# Allegro board SG2042_EVB_V2_0.brd (continued)
## Routing (per net, layer and track width the routed paths; a pad name or vN(x,y) marks a point on that pad's centre or on a via; arc(x,y) is an arc through that point) (continued)
  GND09 w0.254: J2.44 168.91,248.49 ; J2.44 169.57,247.83 ; J2.44 168.25,247.83 ; J2.44 168.91,247.16 ; 180.51,178.31 J1.263 ; J1.263 181.17,178.98 ; J1.263 179.85,178.98 ; J1.263 180.51,179.64 ; 60.79,239.51 J4.53 ; J4.53 61.45,240.18 ; J4.53 60.13,240.18 ; J4.53 60.79,240.84 ; J2.116 168.91,182.19 ; J2.116 168.91,180.86 ; J2.116 168.25,181.53 ; J2.116 169.57,181.53 ; 63.93,199.38 J4.239 ; J4.239 64.59,198.71 ; J4.239 64.59,200.04 ; J4.239 65.25,199.38 ; J2.270 172.71,173.69 ; J2.270 173.37,173.03 ; J2.270 172.71,172.36 ; J2.270 172.05,173.03 ; 176.71,239.51 J1.53 ; J1.53 176.71,240.84 ; J1.53 177.37,240.18 ; J1.53 176.05,240.18 ; J1.149 180.51,281.64 ; J1.149 179.85,280.98 ; J1.149 180.51,280.31 ; J1.149 181.17,280.98 ; 51.39,169.81 J3.129 ; J3.129 51.39,171.14 ; J3.129 52.05,170.48 ; J3.129 50.73,170.48 ; 62.39,177.46 J4.120 ; J4.120 63.05,178.13 ; J4.120 62.39,178.79 ; J4.120 61.73,178.13 ; 182.11,253.96 J1.180 ; J1.180 182.11,255.29 ; J1.180 182.77,254.63 ; J1.180 181.45,254.63 ; J1.129 177.37,170.48 ; J1.129 176.71,169.81 ; J1.129 176.71,171.14 ; J1.129 176.05,170.48 ; J4.151 65.25,279.28 ; J4.151 64.59,278.61 ; J4.151 63.93,279.28 ; J4.151 64.59,279.94 ; 54.53,178.98 J3.263 ; J3.263 55.85,178.98 ; J3.263 55.19,178.31 ; J3.263 55.19,179.64 ; J1.176 182.11,258.69 ; J1.176 182.77,258.03 ; J1.176 181.45,258.03 ; J1.176 182.11,257.36 ; 55.19,180.01 J3.261 ; J3.261 55.19,181.34 ; J3.261 54.53,180.68 ; J3.261 55.85,180.68 ; 181.45,173.03 J1.270 ; J1.270 182.77,173.03 ; J1.270 182.11,172.36 ; J1.270 182.11,173.69 ; J2.138 168.91,163.49 ; J2.138 168.91,162.16 ; J2.138 168.25,162.83 ; J2.138 169.57,162.83 ; 177.65,162.83 J1.138 ; J1.138 178.31,162.16 ; J1.138 178.31,163.49 ; J1.138 178.97,162.83 ; 168.25,283.53 J2.2 ; J2.2 168.91,284.19 ; J2.2 168.91,282.86 ; J2.2 169.57,283.53 ; J3.53 52.05,240.18 ; J3.53 51.39,239.51 ; J3.53 51.39,240.84 ; J3.53 50.73,240.18 ; J3.136 53.65,164.53 ; J3.136 52.99,163.86 ; J3.136 52.99,165.19 ; J3.136 52.33,164.53 ; 50.73,258.88 J3.31 ; J3.31 52.05,258.88 ; J3.31 51.39,258.21 ; J3.31 51.39,259.54 ; 171.11,181.71 J2.259 ; J2.259 171.11,183.04 ; J2.259 171.77,182.38 ; J2.259 170.45,182.38 ; 56.13,258.03 J3.176 ; J3.176 56.79,257.36 ; J3.176 56.79,258.69 ; J3.176 57.45,258.03 ; 176.71,174.91 J1.123 ; J1.123 176.71,176.24 ; J1.123 176.05,175.58 ; J1.123 177.37,175.58 ; J1.252 182.77,188.32 ; J1.252 181.45,188.32 ; J1.252 182.11,187.66 ; J1.252 182.11,188.99 ; 50.73,277.58 J3.9 ; J3.9 51.39,278.24 ; J3.9 52.05,277.58 ; J3.9 51.39,276.91 ; 167.31,171.51 J2.127 ; J2.127 166.65,172.18 ; J2.127 167.31,172.84 ; J2.127 167.97,172.18 ; 60.79,171.51 J4.127 ; J4.127 60.13,172.18 ; J4.127 61.45,172.18 ; J4.127 60.79,172.84 ; J3.191 55.19,245.94 ; J3.191 54.53,245.28 ; J3.191 55.85,245.28 ; J3.191 55.19,244.61 ; J4.131 60.79,169.44 ; J4.131 61.45,168.78 ; J4.131 60.79,168.11 ; J4.131 60.13,168.78 ; 63.93,248.68 J4.187 ; J4.187 65.25,248.68 ; J4.187 64.59,249.34 ; J4.187 64.59,248.01 ; J1.31 177.37,258.88 ; J1.31 176.71,259.54 ; J1.31 176.05,258.88 ; J1.31 176.71,258.21 ; J1.268 182.77,174.73 ; J1.268 182.11,174.06 ; J1.268 182.11,175.39 ; J1.268 181.45,174.73 ; J4.149 64.59,281.64 ; J4.149 64.59,280.31 ; J4.149 63.93,280.98 ; J4.149 65.25,280.98 ; J2.4 168.91,282.49 ; J2.4 169.57,281.83 ; J2.4 168.25,281.83 ; J2.4 168.91,281.16 ; 51.39,171.51 J3.127 ; J3.127 52.05,172.18 ; J3.127 51.39,172.84 ; J3.127 50.73,172.18 ; 52.33,244.43 J3.48 ; J3.48 53.65,244.43 ; J3.48 52.99,245.09 ; J3.48 52.99,243.76 ; J3.147 55.85,282.68 ; J3.147 54.53,282.68 ; J3.147 55.19,283.34 ; J3.147 55.19,282.01 ; J2.268 172.71,175.39 ; J2.268 173.37,174.73 ; J2.268 172.71,174.06 ; J2.268 172.05,174.73 ; J4.200 66.19,238.29 ; J4.200 66.19,236.96 ; J4.200 66.85,237.63 ; J4.200 65.53,237.63 ; J4.22 63.05,266.52 ; J4.22 62.39,267.19 ; J4.22 61.73,266.52 ; J4.22 62.39,265.86 ; J3.98 52.99,197.49 ; J3.98 52.33,196.83 ; J3.98 52.99,196.16 ; J3.98 53.65,196.83 ; 181.45,256.33 J1.178 ; J1.178 182.11,255.66 ; J1.178 182.11,256.99 ; J1.178 182.77,256.33 ; 180.51,242.91 J1.193 ; J1.193 181.17,243.58 ; J1.193 180.51,244.24 ; J1.193 179.85,243.58 ; 54.53,279.28 J3.151 ; J3.151 55.19,278.61 ; J3.151 55.19,279.94 ; J3.151 55.85,279.28 ; J3.15 51.39,273.14 ; J3.15 52.05,272.48 ; J3.15 51.39,271.81 ; J3.15 50.73,272.48 ; 167.31,169.81 J2.129 ; J2.129 167.31,171.14 ; J2.129 167.97,170.48 ; J2.129 166.65,170.48 ; 176.71,270.11 J1.17 ; J1.17 177.37,270.78 ; J1.17 176.05,270.78 ; J1.17 176.71,271.44 ; J3.109 51.39,188.14 ; J3.109 52.05,187.48 ; J3.109 51.39,186.81 ; J3.109 50.73,187.48 ; 172.05,190.03 J2.250 ; J2.250 172.71,189.36 ; J2.250 172.71,190.69 ; J2.250 173.37,190.03 ; 176.71,191.91 J1.103 ; J1.103 176.71,193.24 ; J1.103 177.37,192.58 ; J1.103 176.05,192.58 ; J4.254 66.85,186.63 ; J4.254 66.19,185.96 ; J4.254 65.53,186.63 ; J4.254 66.19,187.29 ; 168.91,182.56 J2.114 ; J2.114 168.25,183.23 ; J2.114 169.57,183.23 ; J2.114 168.91,183.89 ; 56.13,171.33 J3.272 ; J3.272 57.45,171.33 ; J3.272 56.79,171.99 ; J3.272 56.79,170.66 ; J2.131 167.31,169.44 ; J2.131 167.31,168.11 ; J2.131 167.97,168.78 ; J2.131 166.65,168.78 ; 66.19,270.96 J4.160 ; J4.160 66.19,272.29 ; J4.160 66.85,271.63 ; J4.160 65.53,271.63 ; J3.171 55.19,262.94 ; J3.171 55.19,261.61 ; J3.171 55.85,262.28 ; J3.171 54.53,262.28 ; 52.33,261.43 J3.28 ; J3.28 52.99,262.09 ; J3.28 53.65,261.43 ; J3.28 52.99,260.76 ; 171.11,180.01 J2.261 ; J2.261 171.11,181.34 ; J2.261 170.45,180.68 ; J2.261 171.77,180.68 ; 176.05,238.48 J1.55 ; J1.55 176.71,239.14 ; J1.55 177.37,238.48 ; J1.55 176.71,237.81 ; 51.39,236.11 J3.57 ; J3.57 51.39,237.44 ; J3.57 50.73,236.77 ; J3.57 52.05,236.77 ; J1.259 180.51,183.04 ; J1.259 181.17,182.38 ; J1.259 180.51,181.71 ; J1.259 179.85,182.38 ; 50.73,238.48 J3.55 ; J3.55 52.05,238.48 ; J3.55 51.39,237.81 ; J3.55 51.39,239.14 ; J3.26 52.99,263.79 ; J3.26 52.33,263.13 ; J3.26 53.65,263.13 ; J3.26 52.99,262.46 ; J3.134 52.99,166.89 ; J3.134 52.99,165.56 ; J3.134 52.33,166.23 ; J3.134 53.65,166.23 ; J4.169 64.59,264.64 ; J4.169 64.59,263.31 ; J4.169 63.93,263.98 ; J4.169 65.25,263.98 ; J3.162 56.79,270.59 ; J3.162 56.79,269.26 ; J3.162 56.13,269.93 ; J3.162 57.45,269.93 ; J1.257 181.17,184.08 ; J1.257 179.85,184.08 ; J1.257 180.51,183.41 ; J1.257 180.51,184.74 ; J1.101 176.71,194.94 ; J1.101 176.71,193.61 ; J1.101 176.05,194.28 ; J1.101 177.37,194.28 ; 168.25,249.53 J2.42 ; J2.42 169.57,249.53 ; J2.42 168.91,248.86 ; J2.42 168.91,250.19 ; J3.13 52.05,274.18 ; J3.13 51.39,273.51 ; J3.13 50.73,274.18 ; J3.13 51.39,274.84 ; J1.24 178.31,265.49 ; J1.24 178.97,264.83 ; J1.24 178.31,264.16 ; J1.24 177.65,264.83 ; J4.182 66.85,252.93 ; J4.182 65.53,252.93 ; J4.182 66.19,253.59 ; J4.182 66.19,252.26 ; J1.248 182.77,191.73 ; J1.248 182.11,192.39 ; J1.248 182.11,191.06 ; J1.248 181.45,191.73 ; J1.283 181.17,161.98 ; J1.283 180.51,161.31 ; J1.283 179.85,161.98 ; J1.283 180.51,162.64 ; 172.71,252.26 J2.182 ; J2.182 172.05,252.93 ; J2.182 172.71,253.59 ; J2.182 173.37,252.93 ; 65.53,254.63 J4.180 ; J4.180 66.85,254.63 ; J4.180 66.19,255.29 ; J4.180 66.19,253.96 ; J2.94 168.91,200.89 ; J2.94 168.25,200.23 ; J2.94 169.57,200.23 ; J2.94 168.91,199.56 ; 178.31,196.16 J1.98 ; J1.98 178.97,196.83 ; J1.98 177.65,196.83 ; J1.98 178.31,197.49 ; J1.198 182.11,239.99 ; J1.198 182.77,239.33 ; J1.198 182.11,238.66 ; J1.198 181.45,239.33 ; J4.138 63.05,162.83 ; J4.138 62.39,163.49 ; J4.138 61.73,162.83 ; J4.138 62.39,162.16 ; J3.116 53.65,181.53 ; J3.116 52.33,181.53 ; J3.116 52.99,182.19 ; J3.116 52.99,180.86 ; J4.171 64.59,262.94 ; J4.171 64.59,261.61 ; J4.171 63.93,262.28 ; J4.171 65.25,262.28 ; J2.184 173.37,251.23 ; J2.184 172.71,251.89 ; J2.184 172.71,250.56 ; J2.184 172.05,251.23 ; 52.33,200.23 J3.94 ; J3.94 52.99,199.56 ; J3.94 53.65,200.23 ; J3.94 52.99,200.89 ; 180.51,195.31 J1.243 ; J1.243 180.51,196.64 ; J1.243 181.17,195.98 ; J1.243 179.85,195.98 ; J4.195 64.59,242.54 ; J4.195 63.93,241.88 ; J4.195 65.25,241.88 ; J4.195 64.59,241.21 ; J3.123 51.39,176.24 ; J3.123 51.39,174.91 ; J3.123 52.05,175.58 ; J3.123 50.73,175.58 ; J4.4 62.39,282.49 ; J4.4 63.05,281.83 ; J4.4 61.73,281.83 ; J4.4 62.39,281.16 ; J4.9 61.45,277.58 ; J4.9 60.79,276.91 ; J4.9 60.79,278.24 ; J4.9 60.13,277.58 ; J1.35 176.71,256.14 ; J1.35 177.37,255.47 ; J1.35 176.71,254.81 ; J1.35 176.05,255.47 ; 177.65,179.83 J1.118 ; J1.118 178.31,180.49 ; J1.118 178.97,179.83 ; J1.118 178.31,179.16 ; J1.134 178.31,166.89 ; J1.134 178.97,166.23 ; J1.134 178.31,165.56 ; J1.134 177.65,166.23 ; J4.35 61.45,255.47 ; J4.35 60.79,256.14 ; J4.35 60.13,255.47 ; J4.35 60.79,254.81 ; J3.37 52.05,253.78 ; J3.37 51.39,254.44 ; J3.37 51.39,253.11 ; J3.37 50.73,253.78 ; J1.151 181.17,279.28 ; J1.151 180.51,278.61 ; J1.151 180.51,279.94 ; J1.151 179.85,279.28 ; 172.71,255.66 J2.178 ; J2.178 172.71,256.99 ; J2.178 173.37,256.33 ; J2.178 172.05,256.33 ; 181.45,276.73 J1.154 ; J1.154 182.11,277.39 ; J1.154 182.11,276.06 ; J1.154 182.77,276.73 ; J4.129 61.45,170.48 ; J4.129 60.13,170.48 ; J4.129 60.79,169.81 ; J4.129 60.79,171.14 ; J3.160 56.79,272.29 ; J3.160 57.45,271.63 ; J3.160 56.79,270.96 ; J3.160 56.13,271.63 ; 62.39,180.86 J4.116 ; J4.116 62.39,182.19 ; J4.116 63.05,181.53 ; J4.116 61.73,181.53 ; 172.05,239.33 J2.198 ; J2.198 172.71,239.99 ; J2.198 172.71,238.66 ; J2.198 173.37,239.33 ; J2.156 173.37,275.03 ; J2.156 172.71,275.69 ; J2.156 172.71,274.36 ; J2.156 172.05,275.03 ; J3.259 55.85,182.38 ; J3.259 55.19,183.04 ; J3.259 55.19,181.71 ; J3.259 54.53,182.38 ; J1.114 178.31,183.89 ; J1.114 178.97,183.23 ; J1.114 178.31,182.56 ; J1.114 177.65,183.23 ; 60.79,237.81 J4.55 ; J4.55 60.79,239.14 ; J4.55 60.13,238.48 ; J4.55 61.45,238.48 ; J2.173 171.11,261.24 ; J2.173 170.45,260.58 ; J2.173 171.11,259.91 ; J2.173 171.77,260.58 ; 50.73,190.88 J3.105 ; J3.105 52.05,190.88 ; J3.105 51.39,191.54 ; J3.105 51.39,190.21 ; J1.276 182.77,167.92 ; J1.276 182.11,167.26 ; J1.276 182.11,168.59 ; J1.276 181.45,167.92 ; 167.31,254.81 J2.35 ; J2.35 166.65,255.47 ; J2.35 167.97,255.47 ; J2.35 167.31,256.14 ; J3.248 56.79,192.39 ; J3.248 56.13,191.73 ; J3.248 57.45,191.73 ; J3.248 56.79,191.06 ; J3.20 52.99,268.89 ; J3.20 53.65,268.23 ; J3.20 52.99,267.56 ; J3.20 52.33,268.23 ; J1.116 178.97,181.53 ; J1.116 178.31,182.19 ; J1.116 178.31,180.86 ; J1.116 177.65,181.53 ; J4.107 61.45,189.18 ; J4.107 60.13,189.18 ; J4.107 60.79,188.51 ; J4.107 60.79,189.84 ; 181.45,169.63 J1.274 ; J1.274 182.11,170.29 ; J1.274 182.77,169.63 ; J1.274 182.11,168.96 ; 178.31,248.86 J1.42 ; J1.42 178.31,250.19 ; J1.42 178.97,249.53 ; J1.42 177.65,249.53 ; J4.96 63.05,198.53 ; J4.96 61.73,198.53 ; J4.96 62.39,197.86 ; J4.96 62.39,199.19 ; 180.51,197.01 J1.241 ; J1.241 181.17,197.67 ; J1.241 180.51,198.34 ; J1.241 179.85,197.67 ; J2.125 167.97,173.88 ; J2.125 166.65,173.88 ; J2.125 167.31,173.21 ; J2.125 167.31,174.54 ; 176.05,277.58 J1.9 ; J1.9 176.71,276.91 ; J1.9 176.71,278.24 ; J1.9 177.37,277.58 ; 63.93,177.27 J4.265 ; J4.265 64.59,177.94 ; J4.265 64.59,176.61 ; J4.265 65.25,177.27 ; 171.11,261.61 J2.171 ; J2.171 171.11,262.94 ; J2.171 171.77,262.28 ; J2.171 170.45,262.28 ; J1.136 178.97,164.53 ; J1.136 178.31,165.19 ; J1.136 177.65,164.53 ; J1.136 178.31,163.86 ; J4.103 61.45,192.58 ; J4.103 60.79,191.91 ; J4.103 60.79,193.24 ; J4.103 60.13,192.58 ; J1.182 182.11,253.59 ; J1.182 181.45,252.93 ; J1.182 182.11,252.26 ; J1.182 182.77,252.93 ; J2.167 171.77,265.68 ; J2.167 171.11,266.34 ; J2.167 170.45,265.68 ; J2.167 171.11,265.01 ; 55.19,161.31 J3.283 ; J3.283 55.19,162.64 ; J3.283 54.53,161.98 ; J3.283 55.85,161.98 ; J4.101 61.45,194.28 ; J4.101 60.79,193.61 ; J4.101 60.13,194.28 ; J4.101 60.79,194.94 ; 66.19,276.06 J4.154 ; J4.154 66.85,276.73 ; J4.154 65.53,276.73 ; J4.154 66.19,277.39 ; J2.46 169.57,246.12 ; J2.46 168.25,246.12 ; J2.46 168.91,246.79 ; J2.46 168.91,245.46 ; J2.180 172.71,255.29 ; J2.180 172.05,254.63 ; J2.180 172.71,253.96 ; J2.180 173.37,254.63 ; J2.37 167.31,254.44 ; J2.37 166.65,253.78 ; J2.37 167.31,253.11 ; J2.37 167.97,253.78 ; 182.11,270.96 J1.160 ; J1.160 182.77,271.63 ; J1.160 182.11,272.29 ; J1.160 181.45,271.63 ; 171.11,280.31 J2.149 ; J2.149 171.11,281.64 ; J2.149 171.77,280.98 ; J2.149 170.45,280.98 ; 180.51,265.01 J1.167 ; J1.167 179.85,265.68 ; J1.167 181.17,265.68 ; J1.167 180.51,266.34 ; 52.99,184.26 J3.112 ; J3.112 52.33,184.93 ; J3.112 52.99,185.59 ; J3.112 53.65,184.93 ; J3.131 51.39,169.44 ; J3.131 51.39,168.11 ; J3.131 50.73,168.78 ; J3.131 52.05,168.78 ; 181.45,269.93 J1.162 ; J1.162 182.11,270.59 ; J1.162 182.11,269.26 ; J1.162 182.77,269.93 ; J1.279 180.51,166.04 ; J1.279 180.51,164.71 ; J1.279 179.85,165.38 ; J1.279 181.17,165.38 ; J4.176 66.19,258.69 ; J4.176 66.19,257.36 ; J4.176 66.85,258.03 ; J4.176 65.53,258.03 ; 60.79,236.11 J4.57 ; J4.57 60.79,237.44 ; J4.57 60.13,236.77 ; J4.57 61.45,236.77 ; J2.274 173.37,169.63 ; J2.274 172.71,170.29 ; J2.274 172.05,169.63 ; J2.274 172.71,168.96 ; J3.184 56.79,251.89 ; J3.184 57.45,251.23 ; J3.184 56.79,250.56 ; J3.184 56.13,251.23 ; 63.93,245.28 J4.191 ; J4.191 64.59,244.61 ; J4.191 64.59,245.94 ; J4.191 65.25,245.28 ; 176.71,271.81 J1.15 ; J1.15 176.05,272.48 ; J1.15 176.71,273.14 ; J1.15 177.37,272.48 ; 166.65,274.18 J2.13 ; J2.13 167.31,273.51 ; J2.13 167.97,274.18 ; J2.13 167.31,274.84 ; J2.254 172.71,187.29 ; J2.254 172.71,185.96 ; J2.254 173.37,186.63 ; J2.254 172.05,186.63 ; 176.05,168.78 J1.131 ; J1.131 177.37,168.78 ; J1.131 176.71,168.11 ; J1.131 176.71,169.44 ; 167.31,174.91 J2.123 ; J2.123 166.65,175.58 ; J2.123 167.31,176.24 ; J2.123 167.97,175.58 ; 56.13,252.93 J3.182 ; J3.182 56.79,252.26 ; J3.182 57.45,252.93 ; J3.182 56.79,253.59 ; J4.250 66.19,190.69 ; J4.250 66.19,189.36 ; J4.250 66.85,190.03 ; J4.250 65.53,190.03 ; 182.11,272.66 J1.158 ; J1.158 182.77,273.33 ; J1.158 182.11,273.99 ; J1.158 181.45,273.33 ; 50.73,257.18 J3.33 ; J3.33 51.39,256.51 ; J3.33 52.05,257.18 ; J3.33 51.39,257.84 ; 166.65,236.77 J2.57 ; J2.57 167.97,236.77 ; J2.57 167.31,237.44 ; J2.57 167.31,236.11 ; J1.48 178.97,244.43 ; J1.48 178.31,245.09 ; J1.48 177.65,244.43 ; J1.48 178.31,243.76 ; 60.13,270.78 J4.17 ; J4.17 60.79,271.44 ; J4.17 60.79,270.11 ; J4.17 61.45,270.78 ; 176.71,186.81 J1.109 ; J1.109 177.37,187.48 ; J1.109 176.71,188.14 ; J1.109 176.05,187.48 ; J1.13 176.71,274.84 ; J1.13 176.71,273.51 ; J1.13 177.37,274.18 ; J1.13 176.05,274.18 ; J2.20 168.91,268.89 ; J2.20 169.57,268.23 ; J2.20 168.91,267.56 ; J2.20 168.25,268.23 ; 55.19,176.61 J3.265 ; J3.265 55.19,177.94 ; J3.265 55.85,177.27 ; J3.265 54.53,177.27 ; J3.138 52.99,163.49 ; J3.138 53.65,162.83 ; J3.138 52.33,162.83 ; J3.138 52.99,162.16 ; 171.11,195.31 J2.243 ; J2.243 171.77,195.98 ; J2.243 170.45,195.98 ; J2.243 171.11,196.64 ; J4.50 62.39,243.39 ; J4.50 61.73,242.73 ; J4.50 63.05,242.73 ; J4.50 62.39,242.06 ; J4.13 60.79,274.84 ; J4.13 60.79,273.51 ; J4.13 60.13,274.18 ; J4.13 61.45,274.18 ; J1.112 178.31,185.59 ; J1.112 178.97,184.93 ; J1.112 178.31,184.26 ; J1.112 177.65,184.93 ; 60.13,275.87 J4.11 ; J4.11 61.45,275.87 ; J4.11 60.79,275.21 ; J4.11 60.79,276.54 ; 180.51,246.31 J1.189 ; J1.189 181.17,246.98 ; J1.189 180.51,247.64 ; J1.189 179.85,246.98 ; J1.265 180.51,177.94 ; J1.265 181.17,177.27 ; J1.265 180.51,176.61 ; J1.265 179.85,177.27 ; J2.193 171.77,243.58 ; J2.193 171.11,242.91 ; J2.193 171.11,244.24 ; J2.193 170.45,243.58 ; J3.101 51.39,194.94 ; J3.101 51.39,193.61 ; J3.101 50.73,194.28 ; J3.101 52.05,194.28 ; J2.257 171.11,184.74 ; J2.257 170.45,184.08 ; J2.257 171.77,184.08 ; J2.257 171.11,183.41 ; 166.65,240.18 J2.53 ; J2.53 167.31,240.84 ; J2.53 167.31,239.51 ; J2.53 167.97,240.18 ; J4.94 63.05,200.23 ; J4.94 62.39,199.56 ; J4.94 61.73,200.23 ; J4.94 62.39,200.89 ; J3.187 55.19,249.34 ; J3.187 54.53,248.68 ; J3.187 55.85,248.68 ; J3.187 55.19,248.01 ; 168.25,263.13 J2.26 ; J2.26 168.91,263.79 ; J2.26 169.57,263.13 ; J2.26 168.91,262.46 ; 172.71,187.66 J2.252 ; J2.252 173.37,188.32 ; J2.252 172.05,188.32 ; J2.252 172.71,188.99 ; 56.79,238.66 J3.198 ; J3.198 56.79,239.99 ; J3.198 56.13,239.33 ; J3.198 57.45,239.33 ; J4.274 66.19,170.29 ; J4.274 65.53,169.63 ; J4.274 66.19,168.96 ; J4.274 66.85,169.63 ; J3.6 53.65,280.13 ; J3.6 52.99,279.46 ; J3.6 52.33,280.13 ; J3.6 52.99,280.79 ; 56.13,186.63 J3.254 ; J3.254 56.79,187.29 ; J3.254 56.79,185.96 ; J3.254 57.45,186.63 ; J4.167 65.25,265.68 ; J4.167 63.93,265.68 ; J4.167 64.59,266.34 ; J4.167 64.59,265.01 ; 56.79,192.76 J3.246 ; J3.246 56.13,193.43 ; J3.246 57.45,193.43 ; J3.246 56.79,194.09 ; J1.250 182.77,190.03 ; J1.250 182.11,189.36 ; J1.250 181.45,190.03 ; J1.250 182.11,190.69 ; 178.31,197.86 J1.96 ; J1.96 178.97,198.53 ; J1.96 177.65,198.53 ; J1.96 178.31,199.19 ; 170.45,248.68 J2.187 ; J2.187 171.11,248.01 ; J2.187 171.77,248.68 ; J2.187 171.11,249.34 ; J2.241 171.77,197.67 ; J2.241 170.45,197.67 ; J2.241 171.11,198.34 ; J2.241 171.11,197.01 ; 64.59,259.91 J4.173 ; J4.173 63.93,260.58 ; J4.173 64.59,261.24 ; J4.173 65.25,260.58 ; J2.136 169.57,164.53 ; J2.136 168.91,165.19 ; J2.136 168.25,164.53 ; J2.136 168.91,163.86 ; J1.37 177.37,253.78 ; J1.37 176.71,253.11 ; J1.37 176.05,253.78 ; J1.37 176.71,254.44 ; J3.200 57.45,237.63 ; J3.200 56.79,236.96 ; J3.200 56.13,237.63 ; J3.200 56.79,238.29 ; J1.173 180.51,261.24 ; J1.173 179.85,260.58 ; J1.173 180.51,259.91 ; J1.173 181.17,260.58 ; 63.93,178.98 J4.263 ; J4.263 64.59,179.64 ; J4.263 64.59,178.31 ; J4.263 65.25,178.98 ; 56.13,256.33 J3.178 ; J3.178 57.45,256.33 ; J3.178 56.79,256.99 ; J3.178 56.79,255.66 ; 170.45,279.28 J2.151 ; J2.151 171.11,278.61 ; J2.151 171.11,279.94 ; J2.151 171.77,279.28 ; J3.2 52.99,284.19 ; J3.2 52.33,283.53 ; J3.2 52.99,282.86 ; J3.2 53.65,283.53 ; 54.53,241.88 J3.195 ; J3.195 55.19,241.21 ; J3.195 55.19,242.54 ; J3.195 55.85,241.88 ; 172.05,167.92 J2.276 ; J2.276 172.71,168.59 ; J2.276 173.37,167.92 ; J2.276 172.71,167.26 ; 52.33,264.83 J3.24 ; J3.24 53.65,264.83 ; J3.24 52.99,264.16 ; J3.24 52.99,265.49 ; J3.35 51.39,256.14 ; J3.35 51.39,254.81 ; J3.35 52.05,255.47 ; J3.35 50.73,255.47 ; J4.261 64.59,181.34 ; J4.261 64.59,180.01 ; J4.261 65.25,180.68 ; J4.261 63.93,180.68 ; 56.79,235.26 J3.202 ; J3.202 56.79,236.59 ; J3.202 56.13,235.93 ; J3.202 57.45,235.93 ; 170.45,165.38 J2.279 ; J2.279 171.11,164.71 ; J2.279 171.77,165.38 ; J2.279 171.11,166.04 ; J4.20 62.39,268.89 ; J4.20 62.39,267.56 ; J4.20 61.73,268.23 ; J4.20 63.05,268.23 ; J4.198 66.19,239.99 ; J4.198 65.53,239.33 ; J4.198 66.19,238.66 ; J4.198 66.85,239.33 ; J4.162 66.85,269.93 ; J4.162 65.53,269.93 ; J4.162 66.19,270.59 ; J4.162 66.19,269.26 ; J2.195 171.11,242.54 ; J2.195 171.11,241.21 ; J2.195 171.77,241.88 ; J2.195 170.45,241.88 ; J3.165 55.19,268.04 ; J3.165 54.53,267.38 ; J3.165 55.85,267.38 ; J3.165 55.19,266.71 ; 182.11,250.56 J1.184 ; J1.184 181.45,251.23 ; J1.184 182.11,251.89 ; J1.184 182.77,251.23 ; 168.91,242.06 J2.50 ; J2.50 168.25,242.73 ; J2.50 168.91,243.39 ; J2.50 169.57,242.73 ; J1.125 177.37,173.88 ; J1.125 176.05,173.88 ; J1.125 176.71,174.54 ; J1.125 176.71,173.21 ; 179.85,248.68 J1.187 ; J1.187 180.51,248.01 ; J1.187 180.51,249.34 ; J1.187 181.17,248.68 ; 171.11,246.31 J2.189 ; J2.189 171.77,246.98 ; J2.189 170.45,246.98 ; J2.189 171.11,247.64 ; 61.73,196.83 J4.98 ; J4.98 63.05,196.83 ; J4.98 62.39,197.49 ; J4.98 62.39,196.16 ; J4.259 64.59,183.04 ; J4.259 63.93,182.38 ; J4.259 64.59,181.71 ; J4.259 65.25,182.38 ; 52.99,248.86 J3.42 ; J3.42 52.99,250.19 ; J3.42 53.65,249.53 ; J3.42 52.33,249.53 ; 51.39,173.21 J3.125 ; J3.125 51.39,174.54 ; J3.125 50.73,173.88 ; J3.125 52.05,173.88 ; J3.156 56.79,275.69 ; J3.156 57.45,275.03 ; J3.156 56.79,274.36 ; J3.156 56.13,275.03 ; 54.53,243.58 J3.193 ; J3.193 55.85,243.58 ; J3.193 55.19,244.24 ; J3.193 55.19,242.91 ; 168.91,264.16 J2.24 ; J2.24 168.91,265.49 ; J2.24 168.25,264.83 ; J2.24 169.57,264.83 ; 176.05,189.18 J1.107 ; J1.107 176.71,188.51 ; J1.107 177.37,189.18 ; J1.107 176.71,189.84 ; 167.31,276.91 J2.9 ; J2.9 167.97,277.58 ; J2.9 167.31,278.24 ; J2.9 166.65,277.58 ; J1.4 178.97,281.83 ; J1.4 178.31,281.16 ; J1.4 178.31,282.49 ; J1.4 177.65,281.83 ; 50.73,192.58 J3.103 ; J3.103 51.39,193.24 ; J3.103 51.39,191.91 ; J3.103 52.05,192.58 ; J2.281 171.77,163.68 ; J2.281 171.11,163.01 ; J2.281 171.11,164.34 ; J2.281 170.45,163.68 ; J4.193 65.25,243.58 ; J4.193 64.59,242.91 ; J4.193 63.93,243.58 ; J4.193 64.59,244.24 ; J1.202 182.11,236.59 ; J1.202 182.77,235.93 ; J1.202 181.45,235.93 ; J1.202 182.11,235.26 ; 61.73,247.83 J4.44 ; J4.44 63.05,247.83 ; J4.44 62.39,247.16 ; J4.44 62.39,248.49 ; 63.93,163.68 J4.281 ; J4.281 64.59,164.34 ; J4.281 65.25,163.68 ; J4.281 64.59,163.01 ; 51.39,188.51 J3.107 ; J3.107 50.73,189.18 ; J3.107 51.39,189.84 ; J3.107 52.05,189.18 ; 61.73,166.23 J4.134 ; J4.134 62.39,166.89 ; J4.134 63.05,166.23 ; J4.134 62.39,165.56 ; J2.176 173.37,258.03 ; J2.176 172.05,258.03 ; J2.176 172.71,257.36 ; J2.176 172.71,258.69 ; J4.268 66.19,175.39 ; J4.268 66.19,174.06 ; J4.268 65.53,174.73 ; J4.268 66.85,174.73 ; 168.91,184.26 J2.112 ; J2.112 169.57,184.93 ; J2.112 168.25,184.93 ; J2.112 168.91,185.59 ; 177.65,280.13 J1.6 ; J1.6 178.31,280.79 ; J1.6 178.31,279.46 ; J1.6 178.97,280.13 ; J3.169 55.19,264.64 ; J3.169 55.85,263.98 ; J3.169 54.53,263.98 ; J3.169 55.19,263.31 ; J1.2 178.97,283.53 ; J1.2 177.65,283.53 ; J1.2 178.31,282.86 ; J1.2 178.31,284.19 ; 52.33,246.12 J3.46 ; J3.46 53.65,246.12 ; J3.46 52.99,245.46 ; J3.46 52.99,246.79 ; J1.50 178.97,242.73 ; J1.50 178.31,243.39 ; J1.50 177.65,242.73 ; J1.50 178.31,242.06 ; J2.48 169.57,244.43 ; J2.48 168.25,244.43 ; J2.48 168.91,243.76 ; J2.48 168.91,245.09 ; J3.114 53.65,183.23 ; J3.114 52.99,182.56 ; J3.114 52.33,183.23 ; J3.114 52.99,183.89 ; 66.19,191.06 J4.248 ; J4.248 66.85,191.73 ; J4.248 65.53,191.73 ; J4.248 66.19,192.39 ; J1.94 178.31,200.89 ; J1.94 177.65,200.23 ; J1.94 178.31,199.56 ; J1.94 178.97,200.23 ; 172.71,191.06 J2.248 ; J2.248 172.71,192.39 ; J2.248 173.37,191.73 ; J2.248 172.05,191.73 ; 171.11,244.61 J2.191 ; J2.191 171.11,245.94 ; J2.191 171.77,245.28 ; J2.191 170.45,245.28 ; 166.65,275.87 J2.11 ; J2.11 167.97,275.87 ; J2.11 167.31,275.21 ; J2.11 167.31,276.54 ; J1.254 182.11,187.29 ; J1.254 182.11,185.96 ; J1.254 181.45,186.63 ; J1.254 182.77,186.63 ; 52.33,281.83 J3.4 ; J3.4 52.99,282.49 ; J3.4 52.99,281.16 ; J3.4 53.65,281.83 ; 181.45,193.43 J1.246 ; J1.246 182.11,194.09 ; J1.246 182.11,192.76 ; J1.246 182.77,193.43 ; J2.33 167.31,257.84 ; J2.33 166.65,257.18 ; J2.33 167.31,256.51 ; J2.33 167.97,257.18 ; 177.65,246.12 J1.46 ; J1.46 178.97,246.12 ; J1.46 178.31,245.46 ; J1.46 178.31,246.79 ; 65.53,273.33 J4.158 ; J4.158 66.85,273.33 ; J4.158 66.19,273.99 ; J4.158 66.19,272.66 ; J4.276 66.85,167.92 ; J4.276 66.19,167.26 ; J4.276 65.53,167.92 ; J4.276 66.19,168.59 ; J3.96 52.99,199.19 ; J3.96 53.65,198.53 ; J3.96 52.99,197.86 ; J3.96 52.33,198.53 ; 177.65,247.83 J1.44 ; J1.44 178.31,248.49 ; J1.44 178.97,247.83 ; J1.44 178.31,247.16 ; J2.15 167.97,272.48 ; J2.15 166.65,272.48 ; J2.15 167.31,273.14 ; J2.15 167.31,271.81 ; 60.13,175.58 J4.123 ; J4.123 61.45,175.58 ; J4.123 60.79,174.91 ; J4.123 60.79,176.24 ; J3.154 57.45,276.73 ; J3.154 56.13,276.73 ; J3.154 56.79,277.39 ; J3.154 56.79,276.06 ; J3.120 53.65,178.13 ; J3.120 52.99,177.46 ; J3.120 52.33,178.13 ; J3.120 52.99,178.79 ; J2.31 167.97,258.88 ; J2.31 166.65,258.88 ; J2.31 167.31,259.54 ; J2.31 167.31,258.21 ; J4.24 63.05,264.83 ; J4.24 61.73,264.83 ; J4.24 62.39,265.49 ; J4.24 62.39,264.16 ; 61.73,179.83 J4.118 ; J4.118 63.05,179.83 ; J4.118 62.39,179.16 ; J4.118 62.39,180.49 ; 171.11,176.61 J2.265 ; J2.265 170.45,177.27 ; J2.265 171.77,177.27 ; J2.265 171.11,177.94 ; J4.31 61.45,258.88 ; J4.31 60.13,258.88 ; J4.31 60.79,258.21 ; J4.31 60.79,259.54 ; 171.11,266.71 J2.165 ; J2.165 170.45,267.38 ; J2.165 171.77,267.38 ; J2.165 171.11,268.04 ; J4.39 61.45,252.08 ; J4.39 60.13,252.08 ; J4.39 60.79,251.41 ; J4.39 60.79,252.74 ; 65.53,188.32 J4.252 ; J4.252 66.19,188.99 ; J4.252 66.85,188.32 ; J4.252 66.19,187.66 ; J4.243 64.59,196.64 ; J4.243 63.93,195.98 ; J4.243 64.59,195.31 ; J4.243 65.25,195.98 ; 63.93,282.68 J4.147 ; J4.147 65.25,282.68 ; J4.147 64.59,282.01 ; J4.147 64.59,283.34 ; 54.53,246.98 J3.189 ; J3.189 55.19,247.64 ; J3.189 55.85,246.98 ; J3.189 55.19,246.31 ; J2.120 169.57,178.13 ; J2.120 168.91,177.46 ; J2.120 168.91,178.79 ; J2.120 168.25,178.13 ; 177.65,263.13 J1.26 ; J1.26 178.97,263.13 ; J1.26 178.31,262.46 ; J1.26 178.31,263.79 ; 167.31,270.11 J2.17 ; J2.17 166.65,270.78 ; J2.17 167.97,270.78 ; J2.17 167.31,271.44 ; J1.281 180.51,164.34 ; J1.281 181.17,163.68 ; J1.281 180.51,163.01 ; J1.281 179.85,163.68 ; 167.31,237.81 J2.55 ; J2.55 166.65,238.48 ; J2.55 167.97,238.48 ; J2.55 167.31,239.14 ; J4.105 60.79,191.54 ; J4.105 60.79,190.21 ; J4.105 61.45,190.88 ; J4.105 60.13,190.88 ; J1.105 176.71,191.54 ; J1.105 177.37,190.88 ; J1.105 176.05,190.88 ; J1.105 176.71,190.21 ; 176.05,236.77 J1.57 ; J1.57 176.71,236.11 ; J1.57 177.37,236.77 ; J1.57 176.71,237.44 ; 62.39,243.76 J4.48 ; J4.48 62.39,245.09 ; J4.48 63.05,244.43 ; J4.48 61.73,244.43 ; 180.51,263.31 J1.169 ; J1.169 179.85,263.98 ; J1.169 180.51,264.64 ; J1.169 181.17,263.98 ; 168.25,196.83 J2.98 ; J2.98 168.91,197.49 ; J2.98 169.57,196.83 ; J2.98 168.91,196.16 ; 54.53,163.68 J3.281 ; J3.281 55.19,163.01 ; J3.281 55.19,164.34 ; J3.281 55.85,163.68 ; 177.65,261.43 J1.28 ; J1.28 178.31,262.09 ; J1.28 178.97,261.43 ; J1.28 178.31,260.76 ; 51.39,270.11 J3.17 ; J3.17 52.05,270.78 ; J3.17 50.73,270.78 ; J3.17 51.39,271.44 ; J3.180 56.79,255.29 ; J3.180 56.13,254.63 ; J3.180 56.79,253.96 ; J3.180 57.45,254.63 ; J2.118 168.91,180.49 ; J2.118 168.91,179.16 ; J2.118 169.57,179.83 ; J2.118 168.25,179.83 ; J3.158 57.45,273.33 ; J3.158 56.79,272.66 ; J3.158 56.79,273.99 ; J3.158 56.13,273.33 ; 168.91,197.86 J2.96 ; J2.96 168.91,199.19 ; J2.96 168.25,198.53 ; J2.96 169.57,198.53 ; 65.53,193.43 J4.246 ; J4.246 66.19,192.76 ; J4.246 66.19,194.09 ; J4.246 66.85,193.43 ; J4.46 63.05,246.12 ; J4.46 61.73,246.12 ; J4.46 62.39,246.79 ; J4.46 62.39,245.46 ; 66.19,274.36 J4.156 ; J4.156 65.53,275.03 ; J4.156 66.85,275.03 ; J4.156 66.19,275.69 ; 56.13,174.73 J3.268 ; J3.268 56.79,175.39 ; J3.268 56.79,174.06 ; J3.268 57.45,174.73 ; J2.109 167.97,187.48 ; J2.109 167.31,188.14 ; J2.109 167.31,186.81 ; J2.109 166.65,187.48 ; J2.239 171.11,200.04 ; J2.239 170.45,199.38 ; J2.239 171.77,199.38 ; J2.239 171.11,198.71 ; 172.71,272.66 J2.158 ; J2.158 172.05,273.33 ; J2.158 173.37,273.33 ; J2.158 172.71,273.99 ; 177.65,268.23 J1.20 ; J1.20 178.31,268.89 ; J1.20 178.97,268.23 ; J1.20 178.31,267.56 ; J4.109 60.79,188.14 ; J4.109 60.79,186.81 ; J4.109 61.45,187.48 ; J4.109 60.13,187.48 ; 63.93,197.67 J4.241 ; J4.241 65.25,197.67 ; J4.241 64.59,198.34 ; J4.241 64.59,197.01 ; J4.270 66.85,173.03 ; J4.270 66.19,173.69 ; J4.270 65.53,173.03 ; J4.270 66.19,172.36 ; 177.65,266.52 J1.22 ; J1.22 178.31,267.19 ; J1.22 178.97,266.52 ; J1.22 178.31,265.86 ; 64.59,266.71 J4.165 ; J4.165 65.25,267.38 ; J4.165 63.93,267.38 ; J4.165 64.59,268.04 ; J2.160 172.71,272.29 ; J2.160 172.05,271.63 ; J2.160 173.37,271.63 ; J2.160 172.71,270.96 ; J2.154 172.71,277.39 ; J2.154 172.71,276.06 ; J2.154 172.05,276.73 ; J2.154 173.37,276.73 ; J3.149 55.19,281.64 ; J3.149 55.19,280.31 ; J3.149 55.85,280.98 ; J3.149 54.53,280.98 ; J1.272 182.77,171.33 ; J1.272 182.11,170.66 ; J1.272 181.45,171.33 ; J1.272 182.11,171.99 ; J1.39 177.37,252.08 ; J1.39 176.71,252.74 ; J1.39 176.71,251.41 ; J1.39 176.05,252.08 ; J3.252 57.45,188.32 ; J3.252 56.79,188.99 ; J3.252 56.13,188.32 ; J3.252 56.79,187.66 ; J3.167 55.85,265.68 ; J3.167 55.19,266.34 ; J3.167 55.19,265.01 ; J3.167 54.53,265.68 ; J1.147 180.51,283.34 ; J1.147 181.17,282.68 ; J1.147 179.85,282.68 ; J1.147 180.51,282.01 ; J2.272 173.37,171.33 ; J2.272 172.05,171.33 ; J2.272 172.71,171.99 ; J2.272 172.71,170.66 ; 166.65,194.28 J2.101 ; J2.101 167.31,194.94 ; J2.101 167.31,193.61 ; J2.101 167.97,194.28 ; J3.44 53.65,247.83 ; J3.44 52.99,247.16 ; J3.44 52.99,248.49 ; J3.44 52.33,247.83 ; J3.39 52.05,252.08 ; J3.39 50.73,252.08 ; J3.39 51.39,251.41 ; J3.39 51.39,252.74 ; 60.13,272.48 J4.15 ; J4.15 60.79,273.14 ; J4.15 60.79,271.81 ; J4.15 61.45,272.48 ; J2.28 169.57,261.43 ; J2.28 168.91,262.09 ; J2.28 168.91,260.76 ; J2.28 168.25,261.43 ; J1.195 181.17,241.88 ; J1.195 180.51,242.54 ; J1.195 179.85,241.88 ; J1.195 180.51,241.21 ; J2.103 167.97,192.58 ; J2.103 167.31,191.91 ; J2.103 166.65,192.58 ; J2.103 167.31,193.24 ; J2.107 167.31,189.84 ; J2.107 166.65,189.18 ; J2.107 167.97,189.18 ; J2.107 167.31,188.51 ; 180.51,261.61 J1.171 ; J1.171 180.51,262.94 ; J1.171 181.17,262.28 ; J1.171 179.85,262.28 ; J4.202 66.85,235.93 ; J4.202 65.53,235.93 ; J4.202 66.19,236.59 ; J4.202 66.19,235.26 ; 52.99,265.86 J3.22 ; J3.22 52.33,266.52 ; J3.22 52.99,267.19 ; J3.22 53.65,266.52 ; J2.105 167.97,190.88 ; J2.105 167.31,190.21 ; J2.105 167.31,191.54 ; J2.105 166.65,190.88 ; 61.73,261.43 J4.28 ; J4.28 62.39,260.76 ; J4.28 62.39,262.09 ; J4.28 63.05,261.43 ; J3.239 55.85,199.38 ; J3.239 55.19,200.04 ; J3.239 55.19,198.71 ; J3.239 54.53,199.38 ; J1.261 180.51,181.34 ; J1.261 179.85,180.68 ; J1.261 180.51,180.01 ; J1.261 181.17,180.68 ; 64.59,183.41 J4.257 ; J4.257 63.93,184.08 ; J4.257 65.25,184.08 ; J4.257 64.59,184.74 ; 172.05,235.93 J2.202 ; J2.202 173.37,235.93 ; J2.202 172.71,236.59 ; J2.202 172.71,235.26 ; 55.19,197.01 J3.241 ; J3.241 55.85,197.67 ; J3.241 54.53,197.67 ; J3.241 55.19,198.34 ; J3.50 52.99,243.39 ; J3.50 52.33,242.73 ; J3.50 52.99,242.06 ; J3.50 53.65,242.73 ; 179.85,245.28 J1.191 ; J1.191 180.51,245.94 ; J1.191 180.51,244.61 ; J1.191 181.17,245.28 ; 172.05,193.43 J2.246 ; J2.246 172.71,194.09 ; J2.246 172.71,192.76 ; J2.246 173.37,193.43 ; 52.33,179.83 J3.118 ; J3.118 53.65,179.83 ; J3.118 52.99,180.49 ; J3.118 52.99,179.16 ; J1.127 177.37,172.18 ; J1.127 176.71,171.51 ; J1.127 176.05,172.18 ; J1.127 176.71,172.84 ; 61.73,280.13 J4.6 ; J4.6 63.05,280.13 ; J4.6 62.39,280.79 ; J4.6 62.39,279.46 ; J4.178 66.85,256.33 ; J4.178 66.19,255.66 ; J4.178 65.53,256.33 ; J4.178 66.19,256.99 ; J4.33 60.79,257.84 ; J4.33 60.13,257.18 ; J4.33 61.45,257.18 ; J4.33 60.79,256.51 ; 60.79,253.11 J4.37 ; J4.37 60.79,254.44 ; J4.37 60.13,253.78 ; J4.37 61.45,253.78 ; J4.279 64.59,166.04 ; J4.279 63.93,165.38 ; J4.279 65.25,165.38 ; J4.279 64.59,164.71 ; 171.11,263.31 J2.169 ; J2.169 170.45,263.98 ; J2.169 171.11,264.64 ; J2.169 171.77,263.98 ; J3.270 57.45,173.03 ; J3.270 56.13,173.03 ; J3.270 56.79,173.69 ; J3.270 56.79,172.36 ; J3.250 57.45,190.03 ; J3.250 56.79,190.69 ; J3.250 56.13,190.03 ; J3.250 56.79,189.36 ; 54.53,260.58 J3.173 ; J3.173 55.19,259.91 ; J3.173 55.19,261.24 ; J3.173 55.85,260.58 ; J1.165 181.17,267.38 ; J1.165 180.51,268.04 ; J1.165 179.85,267.38 ; J1.165 180.51,266.71 ; 170.45,161.98 J2.283 ; J2.283 171.77,161.98 ; J2.283 171.11,162.64 ; J2.283 171.11,161.31 ; J4.184 66.85,251.23 ; J4.184 65.53,251.23 ; J4.184 66.19,251.89 ; J4.184 66.19,250.56 ; J1.200 182.11,238.29 ; J1.200 182.77,237.63 ; J1.200 182.11,236.96 ; J1.200 181.45,237.63 ; 61.73,283.53 J4.2 ; J4.2 63.05,283.53 ; J4.2 62.39,284.19 ; J4.2 62.39,282.86 ; 64.59,161.31 J4.283 ; J4.283 64.59,162.64 ; J4.283 63.93,161.98 ; J4.283 65.25,161.98 ; 63.93,246.98 J4.189 ; J4.189 65.25,246.98 ; J4.189 64.59,247.64 ; J4.189 64.59,246.31 ; J3.257 55.19,184.74 ; J3.257 54.53,184.08 ; J3.257 55.85,184.08 ; J3.257 55.19,183.41 ; J1.11 176.71,276.54 ; J1.11 177.37,275.87 ; J1.11 176.71,275.21 ; J1.11 176.05,275.87 ; 62.39,184.26 J4.112 ; J4.112 62.39,185.59 ; J4.112 63.05,184.93 ; J4.112 61.73,184.93 ; J3.11 51.39,276.54 ; J3.11 51.39,275.21 ; J3.11 52.05,275.87 ; J3.11 50.73,275.87 ; 56.13,167.92 J3.276 ; J3.276 56.79,167.26 ; J3.276 56.79,168.59 ; J3.276 57.45,167.92 ; J4.42 62.39,250.19 ; J4.42 61.73,249.53 ; J4.42 62.39,248.86 ; J4.42 63.05,249.53 ; 61.73,164.53 J4.136 ; J4.136 62.39,163.86 ; J4.136 62.39,165.19 ; J4.136 63.05,164.53 ; J3.243 55.19,196.64 ; J3.243 55.85,195.98 ; J3.243 54.53,195.98 ; J3.243 55.19,195.31 ; J3.274 56.79,170.29 ; J3.274 56.13,169.63 ; J3.274 56.79,168.96 ; J3.274 57.45,169.63 ; 65.53,171.33 J4.272 ; J4.272 66.19,170.66 ; J4.272 66.85,171.33 ; J4.272 66.19,171.99 ; J2.134 168.91,166.89 ; J2.134 168.25,166.23 ; J2.134 168.91,165.56 ; J2.134 169.57,166.23 ; J4.26 63.05,263.13 ; J4.26 62.39,262.46 ; J4.26 62.39,263.79 ; J4.26 61.73,263.13 ; J2.263 171.77,178.98 ; J2.263 170.45,178.98 ; J2.263 171.11,179.64 ; J2.263 171.11,178.31 ; J4.114 63.05,183.23 ; J4.114 61.73,183.23 ; J4.114 62.39,182.56 ; J4.114 62.39,183.89 ; 168.91,265.86 J2.22 ; J2.22 169.57,266.52 ; J2.22 168.25,266.52 ; J2.22 168.91,267.19 ; 167.31,251.41 J2.39 ; J2.39 167.31,252.74 ; J2.39 167.97,252.08 ; J2.39 166.65,252.08 ; J3.279 55.19,166.04 ; J3.279 55.85,165.38 ; J3.279 55.19,164.71 ; J3.279 54.53,165.38 ; J1.156 182.11,275.69 ; J1.156 182.77,275.03 ; J1.156 181.45,275.03 ; J1.156 182.11,274.36 ; J1.33 176.71,257.84 ; J1.33 176.71,256.51 ; J1.33 177.37,257.18 ; J1.33 176.05,257.18 ; J2.200 172.71,238.29 ; J2.200 173.37,237.63 ; J2.200 172.71,236.96 ; J2.200 172.05,237.63 ; 171.11,282.01 J2.147 ; J2.147 171.77,282.68 ; J2.147 171.11,283.34 ; J2.147 170.45,282.68 ; 172.05,269.93 J2.162 ; J2.162 172.71,270.59 ; J2.162 172.71,269.26 ; J2.162 173.37,269.93 ; 60.13,173.88 J4.125 ; J4.125 61.45,173.88 ; J4.125 60.79,173.21 ; J4.125 60.79,174.54 ; J2.6 168.91,280.79 ; J2.6 168.25,280.13 ; J2.6 168.91,279.46 ; J2.6 169.57,280.13 ; J1.120 178.31,178.79 ; J1.120 177.65,178.13 ; J1.120 178.97,178.13 ; J1.120 178.31,177.46 ; J1.239 180.51,200.04 ; J1.239 181.17,199.38 ; J1.239 179.85,199.38 ; J1.239 180.51,198.71